# Altium PCB 6502_CPU_MainBoard_PCB_V1_2_x.PcbDoc (part 1 of 4) (continued)
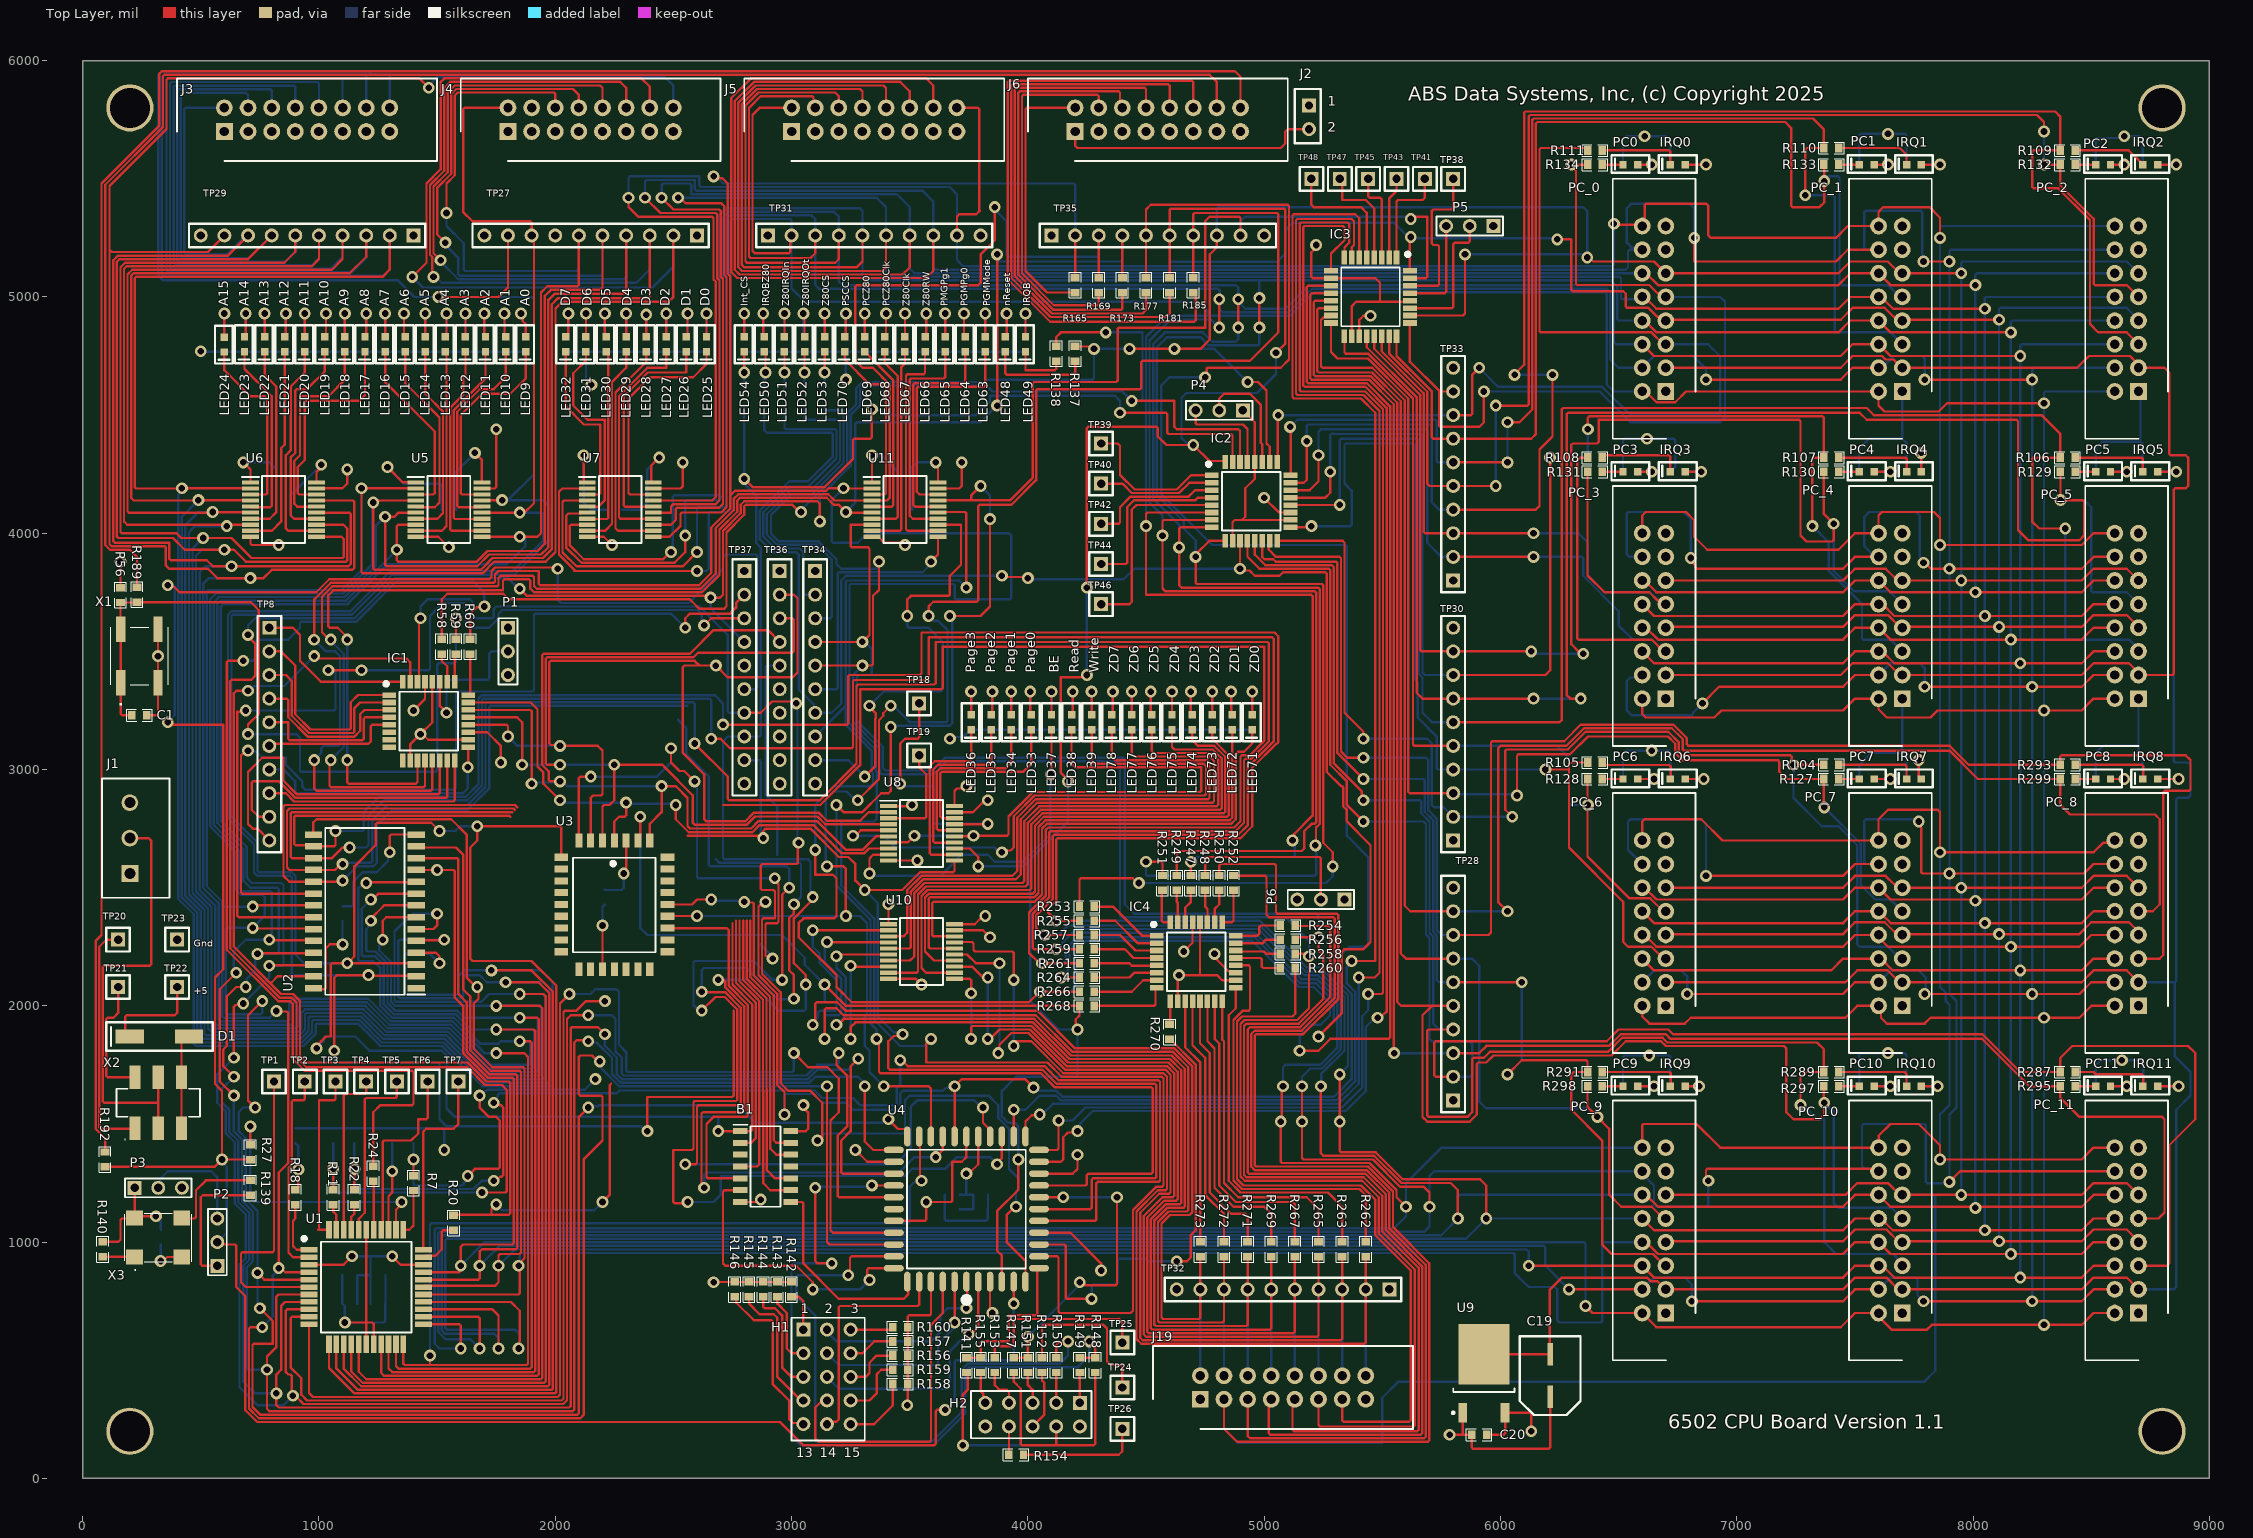
[diagram p0: Top Layer view]
## Components (designator, comment, footprint, x,y, rotation, side; value= is the part's Value field where it differs from the comment) (continued)
R309 "4.7k" 0603 4865,3200 r90 bottom locked
R310 "4.7k" 0603 4780,3200 r90 bottom locked
R311 "4.7k" 0603 4695,3200 r90 bottom locked
R312 "4.7k" 0603 4610,3200 r90 bottom locked
R313 "4.7k" 0603 4525,3200 r90 bottom locked
R314 "4.7k" 0603 4440,3200 r90 bottom locked
R315 "4.7k" 0603 4355,3200 r90 bottom locked
TP1 "TP" TP 810,1680 r0 top
TP2 "TP" TP 940,1680 r0 top
TP3 "TP" TP 1070,1680 r0 top
TP4 "TP" TP 1200,1680 r0 top
TP5 "TP" TP 1330,1680 r0 top
TP6 "TP" TP 1460,1680 r0 top
TP7 "TP" TP 1590,1680 r0 top
TP8 "TP_1X10" TP_1X10 790,3600 r270 top locked
TP18 "TP" TP 3540,3280 r0 top
TP19 "TP" TP 3540,3060 r0 top
TP20 "" TP 150,2280 r0 top
TP21 "" TP 150,2080 r0 top
TP22 "TP" TP 400,2080 r0 top
TP23 "TP" TP 400,2280 r0 top
TP24 "TP" TP 4400,385 r0 top
TP25 "TP" TP 4400,575 r0 top
TP26 "TP" TP 4400,210 r0 top
TP27 "TP_1X10" TP_1X10 2600,5260 r180 top locked
TP28 "TP_1X10" TP_1X10 5800,1600 r90 top locked
TP29 "TP_1X10" TP_1X10 1400,5260 r180 top locked
TP30 "TP_1X10" TP_1X10 5800,2700 r90 top locked
TP31 "TP_1X10" TP_1X10 2900,5260 r0 top locked
TP32 "TP_1X10" TP_1X10 5530,800 r180 top locked
TP33 "TP_1X10" TP_1X10 5800,3800 r90 top locked
TP34 "TP_1X10" TP_1X10 3100,3840 r270 top
TP35 "TP_1X10" TP_1X10 4100,5260 r0 top locked
TP36 "TP_1X10" TP_1X10 2950,3840 r270 top
TP37 "TP_1X10" TP_1X10 2800,3840 r270 top
TP38 "TP" TP 5800,5500 r0 top
TP39 "TP" TP 4310,4380 r270 top
TP40 "TP" TP 4310,4210 r270 top
TP41 "TP" TP 5680,5500 r0 top
TP42 "TP" TP 4310,4040 r270 top
TP43 "TP" TP 5560,5500 r0 top
TP44 "TP" TP 4310,3870 r270 top
TP45 "TP" TP 5440,5500 r0 top
TP46 "TP" TP 4310,3700 r270 top
TP47 "TP" TP 5320,5500 r0 top
TP48 "TP" TP 5200,5500 r0 top
U1 "W65C02S6TQG-14" QFP-44 1200,810 r0 top locked
U2 "CY62256NLL-55SNXI" SOP-28 1194.19,2400 r180 top locked
U3 "SST39SF040-55-4C-NHE-T" PLCC-32 2250,2430 r0 top locked
U4 "ATF1502AS-10JU44" PLCC-44N 3740,1140 r180 top locked
U5 "SN74ABT240ADBR" SOP65P780X200-20N 1550,4100 r0 top
U6 "SN74ABT240ADBR" SOP65P780X200-20N 850,4100 r0 top locked
U7 "SN74ABT240ADBR" SOP65P780X200-20N 2275,4100 r0 top locked
U8 "SN74ABT240ADBR" SOP65P780X200-20N 3550,2730 r0 top locked
U9 "LD1117DT33CTR" TO-252_N 5930,445 r90 top
U10 "SN74ABT240ADBR" SOP65P780X200-20N 3550,2230 r0 top locked
U11 "SN74ABT240ADBR" SOP65P780X200-20N 3480,4100 r0 top locked
X1 "SKRAAME010" SKRAAME010 240,3480 r90 top locked
X2 "JS202011SCQN" JS202011SCQN 320,1590 r0 top locked
X3 "LFSPXO025876Reel" LFSPXO025876Reel 320,1020 r0 top

## Footprints (in the part's own frame and the unit in brackets; to place one, negate y for a bottom-side part, rotate by r counter-clockwise, add the part's x,y. Pads: shape width x height; smd on the part's side, far side on the other; paste and mask are expansions set on the pad)
0603 [mm]
  rect 0.8x0.95 smd: 1(-0.8,0) 2(0.8,0)
  silkscreen extent -1.37,-0.64 1.37,0.64, body extent -0.8,-0.4 0.8,0.4, height 0.55
0603_Diode [mm]
  rect 0.8x0.8 smd: 1(-0.8,0) 2(0.8,0)
  silkscreen extent -2.03,-0.89 2.03,1.02
1803439 [mm]
  rect 1.8x1.8 hole 1.2: 1(0,0)
  round 1.8 hole 1.2: 2(3.81,0) 3(7.62,0)
  silkscreen extent -2.6,-4.25 10.22,3, body extent -2.6,-4.45 10.22,3.05, height 9.33
CapSMD_6.3x5.8 [mm]
  rect 2.4x0.6 smd: 1(-2.273,0) 2(2.273,0)
  silkscreen extent -4.22,-3.28 4.24,3.28
do-221ac [mil]
  rect 120x60 smd: 1(100,0) 2(-150,0)
  silkscreen extent -250,-60 200,60, body extent -132,-51 72,51, height 43
HDR2X5 [mm] "Connector; Header; 5x2 Position"
  rect 1.5x1.5 hole 0.9: 1(0,0)
  round 1.5 hole 0.9: 2(0,2.54) 3(2.54,0) 4(2.54,2.54) 5(5.08,0) 6(5.08,2.54) 7(7.62,0) 8(7.62,2.54) 9(10.16,0) 10(10.16,2.54)
  silkscreen extent -1.27,-1.27 11.68,3.81
HDR3X5 [mm] "Connector; Header; 8x2 Position"
  rect 1.5x1.5 hole 0.9: 1(0,0)
  round 1.5 hole 0.9: 2(0,2.54) 3(0,5.08) 4(2.54,0) 5(2.54,2.54) 6(2.54,5.08) 7(5.08,0) 8(5.08,2.54) 9(5.08,5.08) 10(7.62,0) 11(7.62,2.54) 12(7.62,5.08) 13(10.16,0) 14(10.16,2.54) 15(10.16,5.08)
  silkscreen extent -1.27,-1.27 11.94,6.6
JS202011SCQN [mm]
  rect 1.2x2.5 smd: 1(-2.5,-2.75) 2(0,-2.75) 3(2.5,-2.75) 4(2.5,2.75) 5(0,2.75) 6(-2.5,2.75)
  silkscreen extent -4.5,-4 4.5,1.5, body extent -4.5,-3.5 4.5,3.5, height 5.65
Jumper [mm] "Connector; Header; 8x2 Position"
  rect 1.5x1.5 hole 0.9: 1(0,0)
  round 1.5 hole 0.9: 2(0,2.54)
  silkscreen extent -1.27,-1.78 1.52,4.06
LFSPXO025876Reel [mm]
  rect 1.8x1.6 smd: 1(-2.54,-2.1) 2(2.54,-2.1) 3(2.54,2.1) 4(-2.54,2.1)
  silkscreen extent -3.6,-3.55 3.6,2.6, body extent -3.6,-2.74 3.6,2.74, height 1.5
MHDR1X3_100 [mm] "Connector; Header; 3 Position"
  rect 1.5x1.5 hole 0.9: 1(0,0)
  round 1.5 hole 0.9: 2(2.54,0) 3(5.08,0)
  silkscreen extent -1.02,-1.02 6.1,1.02
PLCC-32 [mil]
  rect 30x58.07 smd: 1(0,270) 2(-50,270) 3(-100,270) 4(-150,270) 14(-150,-275) 15(-100,-275) 16(-50,-275) 17(0,-275) 18(50,-275) 19(100,-275) 20(150,-275) 30(150,270) 31(100,270) 32(50,270)
  rect 58.07x30 smd: 5(-225,199) 6(-225,149) 7(-225,99) 8(-225,49) 9(-225,-1) 10(-225,-51) 11(-225,-101) 12(-225,-151) 13(-225,-201) 21(225,-201) 22(225,-151) 23(225,-101) 24(225,-51) 25(225,-1) 26(225,49) 27(225,99) 28(225,149) 29(225,199)
  silkscreen extent -175,-203 175,197, body extent -245,-296 245,294, height 140
PLCC-44N [mm]
  oval 0.7x2.144 smd: 1(0,7.803) 2(-1.27,7.803) 3(-2.54,7.803) 4(-3.81,7.803) 5(-5.08,7.803) 6(-6.35,7.803) 18(-6.35,-7.803) 19(-5.08,-7.803) 20(-3.81,-7.803) 21(-2.54,-7.803) 22(-1.27,-7.803) 23(0,-7.803) 24(1.27,-7.803) 25(2.54,-7.803) 26(3.81,-7.803) 27(5.08,-7.803) 28(6.35,-7.803) 40(6.35,7.803) 41(5.08,7.803) 42(3.81,7.803) 43(2.54,7.803) 44(1.27,7.803)
  oval 2.144x0.7 smd: 7(-7.803,6.35) 8(-7.803,5.08) 9(-7.803,3.81) 10(-7.803,2.54) 11(-7.803,1.27) 12(-7.803,0) 13(-7.803,-1.27) 14(-7.803,-2.54) 15(-7.803,-3.81) 16(-7.803,-5.08) 17(-7.803,-6.35) 29(7.803,-6.35) 30(7.803,-5.08) 31(7.803,-3.81) 32(7.803,-2.54) 33(7.803,-1.27) 34(7.803,0) 35(7.803,1.27) 36(7.803,2.54) 37(7.803,3.81) 38(7.803,5.08) 39(7.803,6.35)
  silkscreen extent -6.38,-6.38 6.38,10.08
QFP80P900X900X120-32N [mm]
  rect 1.475x0.6 smd: 1(-4.238,2.8) 2(-4.238,2) 3(-4.238,1.2) 4(-4.238,0.4) 5(-4.238,-0.4) 6(-4.238,-1.2) 7(-4.238,-2) 8(-4.238,-2.8) 17(4.238,-2.8) 18(4.238,-2) 19(4.238,-1.2) 20(4.238,-0.4) 21(4.238,0.4) 22(4.238,1.2) 23(4.238,2) 24(4.238,2.8)
  rect 0.6x1.475 smd: 9(-2.8,-4.238) 10(-2,-4.238) 11(-1.2,-4.238) 12(-0.4,-4.238) 13(0.4,-4.238) 14(1.2,-4.238) 15(2,-4.238) 16(2.8,-4.238) 25(2.8,4.238) 26(2,4.238) 27(1.2,4.238) 28(0.4,4.238) 29(-0.4,4.238) 30(-1.2,4.238) 31(-2,4.238) 32(-2.8,4.238)
  silkscreen extent -4.77,-3.15 3.15,4.2, body extent -4.5,-4.5 4.5,4.5, height 1.2
QFP-44 [mm]
  rect 1.85x0.6 smd: 1(-6.15,4) 2(-6.15,3.2) 3(-6.15,2.4) 4(-6.15,1.6) 5(-6.15,0.8) 6(-6.15,0) 7(-6.15,-0.8) 8(-6.15,-1.6) 9(-6.15,-2.4) 10(-6.15,-3.2) 11(-6.15,-4) 23(6.15,-4) 24(6.15,-3.2) 25(6.15,-2.4) 26(6.15,-1.6) 27(6.15,-0.8) 28(6.15,0) 29(6.15,0.8) 30(6.15,1.6) 31(6.15,2.4) 32(6.15,3.2) 33(6.15,4)
  rect 0.6x1.85 smd: 12(-4,-6.15) 13(-3.2,-6.15) 14(-2.4,-6.15) 15(-1.6,-6.15) 16(-0.8,-6.15) 17(0,-6.15) 18(0.8,-6.15) 19(1.6,-6.15) 20(2.4,-6.15) 21(3.2,-6.15) 22(4,-6.15) 34(4,6.15) 35(3.2,6.15) 36(2.4,6.15) 37(1.6,6.15) 38(0.8,6.15) 39(0,6.15) 40(-0.8,6.15) 41(-1.6,6.15) 42(-2.4,6.15) 43(-3.2,6.15) 44(-4,6.15)
  silkscreen extent -6.87,-4.88 4.88,5.4, body extent -6.6,-6.6 6.6,6.6, height 2.7
SHDR16W99P254_2X8_2794X889X927P [mm]
  rect 1.8x1.8 / inner round 1.8 / far side rect 1.8x1.8 hole 1.016: 1(0,0)
  round 1.8 hole 1.016: 2(0,2.54) 3(2.54,0) 4(2.54,2.54) 5(5.08,0) 6(5.08,2.54) 7(7.62,0) 8(7.62,2.54) 9(10.16,0) 10(10.16,2.54) 11(12.7,0) 12(12.7,2.54) 13(15.24,0) 14(15.24,2.54) 15(17.78,0) 16(17.78,2.54)
  silkscreen extent -5.08,-3.17 22.86,5.71, body extent -5.08,-3.17 22.86,5.71, height 8.38
SKRAAME010 [mm]
  rect 2.75x1 smd: 1(-2.875,2) 2(2.875,2) 3(-2.875,-2) 4(2.875,-2)
  silkscreen extent -5.23,-3.1 3.1,3.1, body extent -4.15,-3.1 4.15,3.1, height 5.4
SOIC127P600X175-14N [mm]
  rect 1.525x0.65 smd: 1(-2.712,3.81) 2(-2.712,2.54) 3(-2.712,1.27) 4(-2.712,0) 5(-2.712,-1.27) 6(-2.712,-2.54) 7(-2.712,-3.81) 8(2.712,-3.81) 9(2.712,-2.54) 10(2.712,-1.27) 11(2.712,0) 12(2.712,1.27) 13(2.712,2.54) 14(2.712,3.81)
  silkscreen extent -3.47,-4.33 1.6,4.48, body extent -3.01,-4.33 3.01,4.33, height 1.75
SOP65P780X200-20N [mm]
  rect 1.8x0.45 smd: 1(-3.55,2.925) 2(-3.55,2.275) 3(-3.55,1.625) 4(-3.55,0.975) 5(-3.55,0.325) 6(-3.55,-0.325) 7(-3.55,-0.975) 8(-3.55,-1.625) 9(-3.55,-2.275) 10(-3.55,-2.925) 11(3.55,-2.925) 12(3.55,-2.275) 13(3.55,-1.625) 14(3.55,-0.975) 15(3.55,-0.325) 16(3.55,0.325) 17(3.55,0.975) 18(3.55,1.625) 19(3.55,2.275) 20(3.55,2.925)
  silkscreen extent -4.45,-3.6 2.3,3.6, body extent -4.03,-3.6 3.77,3.6, height 1.9
SOP-28 [mm]
  rect 1.85x0.7 smd: 1(-5.525,8.255) 2(-5.525,6.985) 3(-5.525,5.715) 4(-5.525,4.445) 5(-5.525,3.175) 6(-5.525,1.905) 7(-5.525,0.635) 8(-5.525,-0.635) 9(-5.525,-1.905) 10(-5.525,-3.175) 11(-5.525,-4.445) 12(-5.525,-5.715) 13(-5.525,-6.985) 14(-5.525,-8.255) 15(5.525,-8.255) 16(5.525,-6.985) 17(5.525,-5.715) 18(5.525,-4.445) 19(5.525,-3.175) 20(5.525,-1.905) 21(5.525,-0.635) 22(5.525,0.635) 23(5.525,1.905) 24(5.525,3.175) 25(5.525,4.445) 26(5.525,5.715) 27(5.525,6.985) 28(5.525,8.255)
  silkscreen extent -6.45,-8.97 4.25,8.97, body extent -5.97,-9.09 5.97,8.84, height 2.79
TO-252_N [mm] "D-PAK, 4-Leads, Body 6.1x6.5mm, Pitch 2.28mm, Lead Span 9.7mm, IPC Medium Density"
  rect 2.1x0.95 smd: 1(-4.25,2.28) 3(-4.25,-2.28)
  rect 6.5x5.5 smd: 4(2.05,0)
  silkscreen extent -4.37,-3.3 -1.6,3.43, body extent -2,-3.3 4.2,3.3, height 2.4
TP [mm] "Test Point"
  rect 1.5x1.5 hole 0.9: 1(0,0)
  silkscreen extent -1.27,-1.27 1.27,1.27
TP_1X10 [mm] "Test Point Header 1X10"
  rect 1.5x1.5 hole 0.9: 1(0,0)
  round 1.5 hole 0.9: 2(2.54,0) 3(5.08,0) 4(7.62,0) 5(10.16,0) 6(12.7,0) 7(15.24,0) 8(17.78,0) 9(20.32,0) 10(22.86,0)
  silkscreen extent -1.27,-1.27 24.13,1.27

## Part data
B1: "Texas Instruments CD74HCT20MT, Dual 4-Input NAND Logic Gate, 14-Pin SOIC", Manufacturer_Name="Texas Instruments", Mouser Part Number=595-CD74HCT20MT, Datasheet Link=https://www.ti.com/general/docs/suppproductinfo.tsp?distId=10&gotoUrl=https%3A%2F%2Fwww.ti.com%2Flit%2Fgpn%2Fcd74hct20, Geometry.Height=1.75mm, Manufacturer_Part_Number=CD74HCT20MT, Mouser Price/Stock=https://www.mouser.co.uk/ProductDetail/Texas-Instruments/CD74HCT20MT?qs=xFfolx0DHx2dg0PqLn7e%252Bw%3D%3D
C1 C2 C3 C4 C5 C6 C9 C12 C13 C14 C15 C16 C17 C18: library part CL10B104JB8NNNC, "Samsung Electro-Mechanics 0603 100nf"
C7 C10: library part CL10B102KB8NNNL, "Samsung Electro-Mechanics 0603 1nf"
C8 C11 C20: library part CL10B105KA8NNNL, "Samsung Electro-Mechanics 0603 1uf"
C19: library part UUD1C470MCL1GS, "CAP ALUM 47UF 20% 16V SMD", Case/Package=Radial, Dielectric Material=Aluminium, Leakage Current=3uA, Manufacturer=Nichicon, Max Operating Temperature=105°C, Min Operating Temperature=-55°C, Package Quantity=1000, Ripple Current=230mA, Supplier Part Number 1=493-2259-1-ND, Tolerance=20%, Voltage=16V, Capacitance=47uF, Category="Aluminum Electrolytic Capacitors", ComponentLink1Description=https://datasheet.ciiva.com/30522/getdatasheetpartid-449848-30522051.pdf?src-supplier=Verical, ComponentLink1URL=https://datasheet.ciiva.com/30522/getdatasheetpartid-449848-30522051.pdf?src-supplier=Verical, ComponentLink2Description=https://datasheet.ciiva.com/96/e-ud-96997.pdf?src-supplier=Digi-Key, ComponentLink2URL=https://datasheet.ciiva.com/96/e-ud-96997.pdf?src-supplier=Digi-Key, ComponentLink3Description=https://datasheet.ciiva.com/11776/0900766b80fa39e7-11776889.pdf?src-supplier=RSComponents, ComponentLink3URL=https://datasheet.ciiva.com/11776/0900766b80fa39e7-11776889.pdf?src-supplier=RSComponents, ComponentLink4Description=https://datasheet.ciiva.com/96/e-ud-96998.pdf?src-supplier=Digi-Key, ComponentLink4URL=https://datasheet.ciiva.com/96/e-ud-96998.pdf?src-supplier=Digi-Key, ComponentLink5Description=https://datasheet.ciiva.com/96/e-ud-96999.pdf?src-supplier=Digi-Key, ComponentLink5URL=https://datasheet.ciiva.com/96/e-ud-96999.pdf?src-supplier=Digi-Key, ComponentLink6Description=https://datasheet.ciiva.com/11686/e-ud-11686236.pdf?src-supplier=Avnet, ComponentLink6URL=https://datasheet.ciiva.com/11686/e-ud-11686236.pdf?src-supplier=Avnet, ComponentLink7Description=https://datasheet.ciiva.com/16502/e-ud-16502750.pdf?src-supplier=Future+Electronics, ComponentLink7URL=https://datasheet.ciiva.com/16502/e-ud-16502750.pdf?src-supplier=Future+Electronics, ComponentLink8Description=https://datasheet.ciiva.com/7781/e-ud-7781695.pdf?src-supplier=Element14, ComponentLink8URL=https://datasheet.ciiva.com/7781/e-ud-7781695.pdf?src-supplier=Element14, Contact Plating=Tin, Diameter=6.3mm, Dissipation Factor=0.2%, Height=5.8mm, Height - Seated (Max)=0.228inch, Impedance=440mR, Lead Diameter=0.8mm, Lead Free="Lead Free", Lead Pitch=2.2mm, Length=5.8mm, Life (Hours)=2000Hour, Manufacturer Part Number=UUD1C470MCL1GS, Number of Pins=2, Packaging="Tape and Reel", Pricing 1="1=0.50000, 10=0.34600, 50=0.24220, 100=0.20760, 500=0.15568 (USD)", Radiation Hardening=No, REACH SVHC="No SVHC", Ripple Current (AC)=230mA, RoHS=Yes, Stock 1=26327, Supplier 1=Digi-Key, Termination=SMD/SMT, Voltage Rating=16V, Voltage Rating (DC)=16V
D1: library part S3AFGHM3/I, "Rectifiers VR=400V, IO=3A", Manufacturer_Name="Comchip Technology", Manufacturer_Part_Number=1N4001-G, Mouser Part Number=750-1N4001-G, Datasheet Link=https://datasheet.datasheetarchive.com/originals/distributors/Datasheets-7/DSA-138621.pdf, Mouser Price/Stock=https://www.mouser.co.uk/ProductDetail/Comchip-Technology/1N4001-G?qs=2qJf6qQ4IOKJYZQUWvVExw%3D%3D
H1 J2: "16 Pin 3x8 Through Hold Jumprts", Color=Black, Manufacturer=Samtec, Manufacturer Part Number=TST-108-01-G-D, Max Operating Temperature=125°C, Min Operating Temperature=-55°C, Category="Headers and Wire Housings", ComponentLink1Description=https://datasheet.ciiva.com/739/tst-mkt-739845.pdf?src-supplier=Digi-Key, ComponentLink1URL=https://datasheet.ciiva.com/739/tst-mkt-739845.pdf?src-supplier=Digi-Key, ComponentLink2Description=https://datasheet.ciiva.com/10018/htst-10018510.pdf?src-supplier=Avnet, ComponentLink2URL=https://datasheet.ciiva.com/10018/htst-10018510.pdf?src-supplier=Avnet, Connector Type="Male Pin", Contact Material=Bronze, Contact Mating Length=0.25inch, Contact Plating=Gold, Depth=9.27mm, Gender=Male, Housing Color=Black, Housing Material=Polyester, Length=27.94mm, Mount="Through Hole", Number of Contacts=16, Number of Positions=16, Number of Rows=2, Orientation=Straight, Packaging=Rail/Tube, Pitch=2.54mm, Pricing 1="1=2.85000, 10=2.73600, 100=2.28000, 500=1.93800, 1000=1.65300, 5000=1.48200 (USD)", REACH SVHC="No SVHC", RoHS=Yes, Row Spacing=0.1inch, Stock 1=227, Supplier 1=Digi-Key, Termination=Solder
H2: "10 Pin 2x5 Through Hold IDC Connector", Color=Black, Manufacturer=Samtec, Manufacturer Part Number=TST-105-01-G-D, Max Operating Temperature=125°C, Min Operating Temperature=-55°C, Supplier Part Number 1=SAM10835-ND, Category="Headers and Wire Housings", ComponentLink1Description=https://datasheet.ciiva.com/739/tst-mkt-739845.pdf?src-supplier=Digi-Key, ComponentLink1URL=https://datasheet.ciiva.com/739/tst-mkt-739845.pdf?src-supplier=Digi-Key, ComponentLink2Description=https://datasheet.ciiva.com/10018/htst-10018510.pdf?src-supplier=Avnet, ComponentLink2URL=https://datasheet.ciiva.com/10018/htst-10018510.pdf?src-supplier=Avnet, Connector Type="Male Pin", Contact Material=Bronze, Contact Mating Length=0.25inch, Contact Plating=Gold, Depth=9.27mm, Gender=Male, Housing Color=Black, Housing Material=Polyester, Length=27.94mm, Mount="Through Hole", Number of Contacts=16, Number of Positions=16, Number of Rows=2, Orientation=Straight, Packaging=Rail/Tube, Pitch=2.54mm, Pricing 1="1=2.85000, 10=2.73600, 100=2.28000, 500=1.93800, 1000=1.65300, 5000=1.48200 (USD)", REACH SVHC="No SVHC", RoHS=Yes, Row Spacing=0.1inch, Stock 1=227, Supplier 1=Digi-Key, Termination=Solder
IC1 IC2 IC3 IC4: "Integrated Circuit", Manufacturer_Name=Microchip, Manufacturer_Part_Number="AVR64DD32-I/PT | MULTI-VOLTAGE I/O", Datasheet Link=https://www.microchip.com/en-us/product/AVR64DD32, Height=1.2mm
IRQ0 IRQ1 IRQ2 IRQ3 IRQ4 IRQ5 IRQ6 IRQ7 IRQ8 IRQ9 IRQ10 IRQ11 LED33 LED34 LED35 LED36 LED37 LED38 LED39 LED48 LED49 LED50 LED51 LED52 LED53 LED54 LED63 LED64 LED65 LED66 LED67 LED68 LED69 LED70 LED71 LED72 LED73 LED74 LED75 LED76 LED77 LED78 PC0 PC1 PC2 PC3 PC4 PC5 PC6 PC7 PC8 PC9 PC10 PC11: library part 150060AS75000, "Wurth Elektronik 0603 amber", Case Code (Imperial)=0603, Case Code (Metric)=1608, Color=Green, Forward Current=30mA, Forward Voltage=3.2V, Manufacturer="Wurth Electronics", Manufacturer Part Number=150060GS75000, Max Operating Temperature=85°C, Min Operating Temperature=-40°C, Package Quantity=4000, Test Current=20mA, Case/Package=0603, Category=LEDs, ComponentLink1Description=https://datasheet.ciiva.com/29562/150060gs75000-29562868.pdf?src-supplier=Digi-Key, ComponentLink1URL=https://datasheet.ciiva.com/29562/150060gs75000-29562868.pdf?src-supplier=Digi-Key, ComponentLink2Description=https://datasheet.ciiva.com/29279/759427-da-01-en-chipled-0603-w-kl-gruen-150060gs75000-29279201.pdf?src-supplier=Conrad, ComponentLink2URL=https://datasheet.ciiva.com/29279/759427-da-01-en-chipled-0603-w-kl-gruen-150060gs75000-29279201.pdf?src-supplier=Conrad, ComponentLink3Description=https://datasheet.ciiva.com/29562/150060gs75000-29562869.pdf?src-supplier=Digi-Key, ComponentLink3URL=https://datasheet.ciiva.com/29562/150060gs75000-29562869.pdf?src-supplier=Digi-Key, ComponentLink4Description=https://datasheet.ciiva.com/29562/150060gs75000-29562870.pdf?src-supplier=Digi-Key, ComponentLink4URL=https://datasheet.ciiva.com/29562/150060gs75000-29562870.pdf?src-supplier=Digi-Key, Dominant Wavelength=520nm, Height=0.7mm, Lead Free="Lead Free", Length=1.6mm, Lens Style=Clear,Rectangular, Luminous Intensity=430mcd, Mount="Surface Mount", Packaging="Tape and Reel", Pricing 1="1=0.14000, 50=0.13300, 100=0.11400, 500=0.09900 (USD)", REACH SVHC=Unknown, RoHS=Yes, Stock 1=71509, Supplier 1=Digi-Key, Viewing Angle=140°, Wavelength=520nm, Width=0.8mm
J1: "Connector", Manufacturer_Name="Phoenix Contact", Mouser Part Number=651-1803439, Arrow Part Number=1803439, Arrow Price/Stock=https://www.arrow.com/en/products/1803439/phoenix-contact?region=nac, Datasheet Link=http://uk.rs-online.com/web/p/products/2204838, Manufacturer_Part_Number=1803439, Mouser Price/Stock=https://www.mouser.co.uk/ProductDetail/Phoenix-Contact/1803439?qs=ChwaSN6Xm4%2FKqu7eZUAe4w%3D%3D
J3 J4 J5 J6 J19 PC_0 PC_1 PC_2 PC_3 PC_4 PC_5 PC_6 PC_7 PC_8 PC_9 PC_10 PC_11: "Molex C-GRID 70246, 2.54mm Pitch, 16 Way, 2 Row, Straight PCB Header, Through Hole", Manufacturer_Name=Molex, Mouser Part Number=538-70246-1604, Datasheet Link=https://www.molex.com/pdm_docs/sd/702461604_sd.pdf, Geometry.Height=9.27mm, Manufacturer_Part_Number=70246-1604, Mouser Price/Stock=https://www.mouser.co.uk/ProductDetail/Molex/70246-1604?qs=KUIzHt%2Fe91njhb67Cjmalw%3D%3D